# Altium PCB mainboard.PcbDoc (part 2 of 2)
Units mm, origin at the board's own origin, x right, y up, seen from the top; angles counter-clockwise.
Board outline 100 x 100 mm, 2 copper layers (Top Layer, Bottom Layer); 247 components, 133 nets, 768 pads, 342 vias.
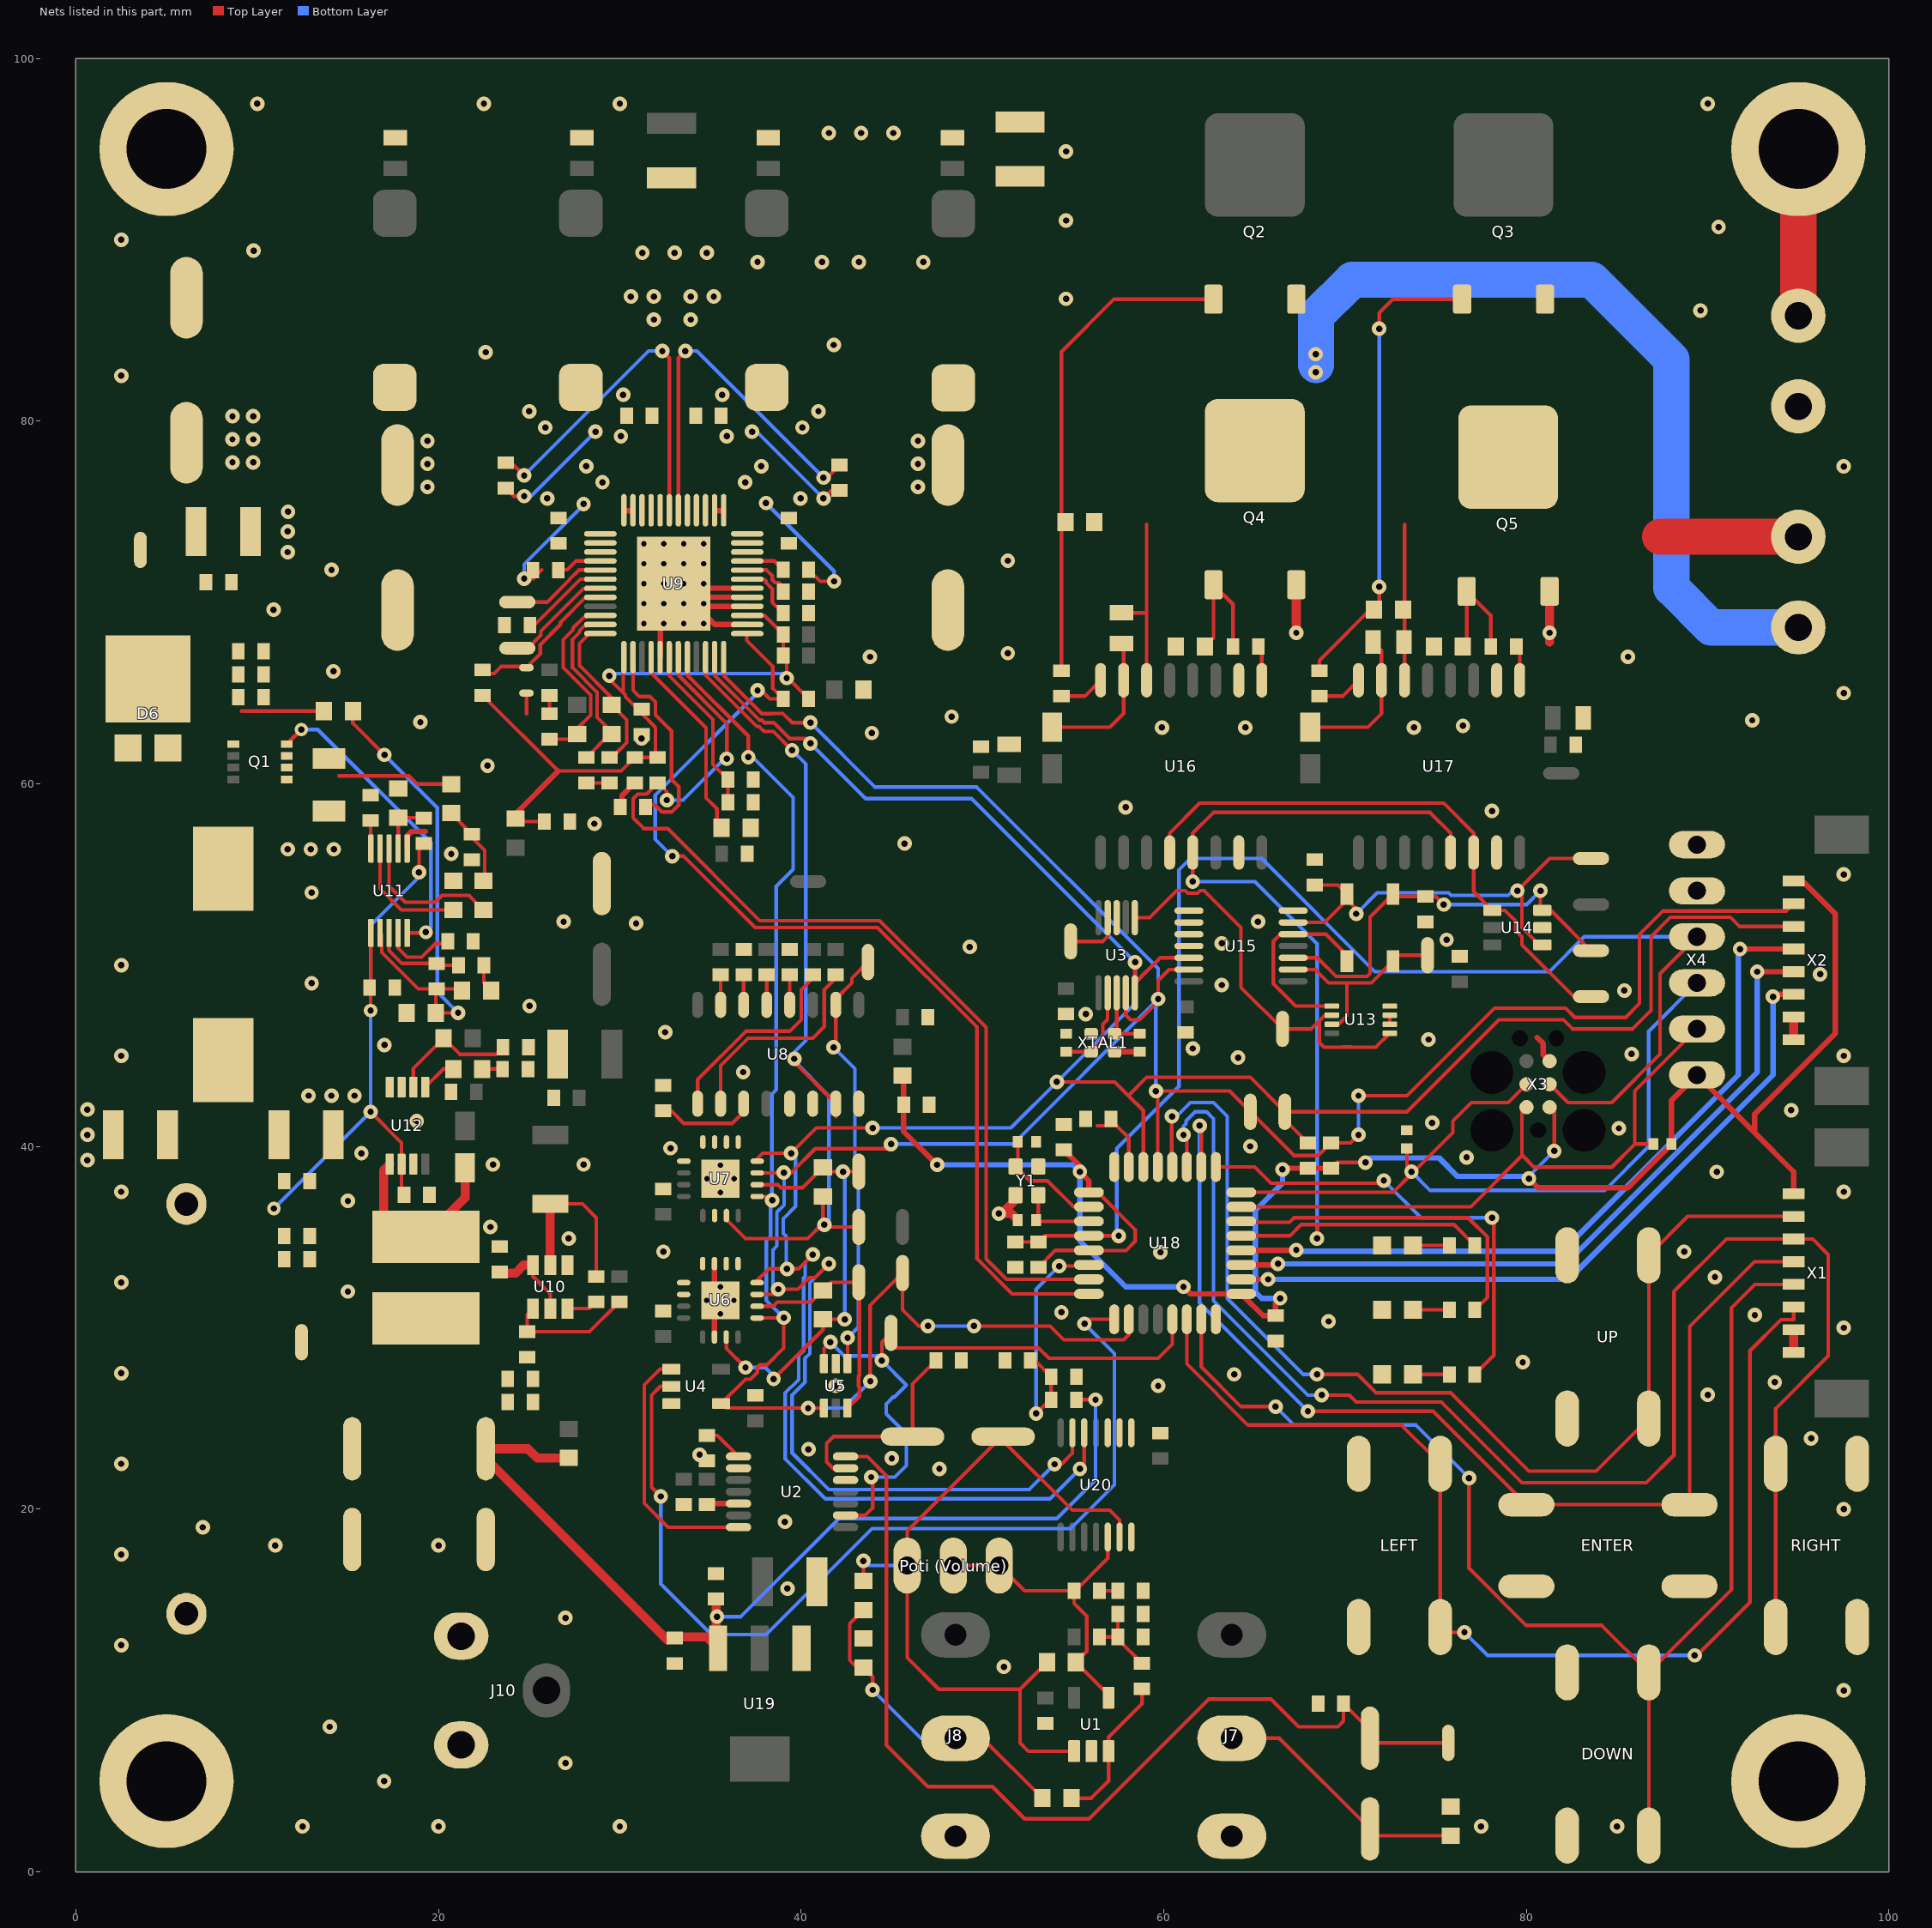
[diagram p2: the nets of this part, all layers, seen from the top]

## Via types
v1: diameter 0.8, hole 0.35, Top Layer to Bottom Layer, 310 vias
v2: diameter 0.75, hole 0.3, Top Layer to Bottom Layer, 20 vias
v3: diameter 0.5, hole 0.3, Top Layer to Bottom Layer, 8 vias
v4: diameter 0.75, hole 0.35, Top Layer to Bottom Layer, 4 vias

## Nets (pads, with @x,y where several pads share a name; then routed paths per layer and width w, separated by ;. In a path a pad name is that pad's centre, name@x,y a point inside that pad or via, vN(x,y) a via of type N, cw(c..) or ccw(c..) an arc to the next point about the centre after c; other vN are vias at no path point) (continued)
GND: C1.2 C7.1 C11.2 C12.1 C13.1 C14.1 C15.1 C16.1 C17.2 C18.1 C19.2 C20.1 C22.2 C25.2 C28.2 C31.2 C33.2 C36.2 C37.1 C38.1 C41.1 C44.1 C45.1 C46.1 C47.1 C48.1 C51.1 C52.1 C53.1 C54.1 C58.1 C59.1 C60.1 C61.1 C62.1 C63.1 C64.1 C65.1 C66.1 C67.1 C68.1 C69.1 C70.2 C71.1 C72.1 C73.1 C74.1 C75.1 C76.1 C77.1 C79.1 C81.1 C83.1 C84.1 C85.1 C86.1 C87.1 C88.2 C89.1 C90.1 C91.1 C92.1 C93.1 C96.1 C97.1 C98.1 C100.1 C101.1 C102.1 C103.1 C104.1 C105.2 C106.2 C107.1 C108.1 C109.1 C110.1 C111.1 C112.1 C113.1 DOWN.1 DOWN.2 ENTER.1 ENTER.2 H2.0 H3.0 H4.0 J7.1 J8.1 J9.1 J10.2 LED1.2 LED2.2 LED3.2 LEFT.1 LEFT.2 Q4.2 Q5.2 R4.1 R5.1 R8.1 R9.2 R10.2 R12.2 R20.1 R25.2 R27.1 R31.1 R36.1 R37.1 R38.1 R39.1 R45.2 R53.1 R54.1 R56.1 R60.1 R61.1 R66.2 RIGHT.3 RIGHT.4 U1.2 U2.2 U2.5 U2.12 U3.8 U4.3 U5.2 U6.5 U6.6 U6.7 U6.8 U6.9 U6.10 U6.14 U6.17 U7.5 U7.6 U7.7 U7.8 U7.9 U7.14 U7.17 U8.5 U8.6 U8.8 U9.17 U9.26 U9.28 U9.29 U9.30 U9.37 U9.38 U9.47 U9.48 U9.49 U10.1 U11.6 U12.4 U12.7 U13.4 U14.2 U15.7 U15.8 U15.9 U15.10 U15.11 U16.2 U16.15 U17.2 U17.15 U18.16 U18.32 U19.1 U20.7 U20.8 U20.9 U20.10 UP.1 UP.2 X1.7 X1.8 X2.7 X2.8 X3.5 X4.5 X4.6 X5.2 XTAL1.2 XTAL1.4 Y1.2 Y1.4 | length 44
  Top Layer w0.2: 24.85,63.864 J9.1@24.85,65.002
  Top Layer w0.3: U11.6@18.272,56.427 18.272,57.134 18.509,57.371 19.271,57.371 ; R25.2@30.119,58.844 30.119,59.349 C44.1@30.819,60.049 ; U9.48@30.228,75.061 U9.47@30.728,75.061 ; U9.17@32.228,67.011 32.228,70.286 32.978,71.036 U9.49@33.228,70.786 ; C113.1@34.798,20.255 34.848,20.305 U2.5@36.547,20.305 ; U6.14@35.219,29.489 35.219,31.189 U6.17@35.544,31.514 35.219,31.839 U6.7@35.219,33.539 ; U9.38@35.228,75.061 U9.37@35.728,75.061 ; U9.26@37.003,68.786 35.228,68.786 34.903,69.111 U9.49@34.228,69.786 ; U9.28@37.003,69.786 U9.49@34.228,69.786 ; U9.29@37.003,70.286 U9.49@33.728,70.286 ; U9.30@37.003,70.786 U9.49@33.228,70.786 ; XTAL1.2@57.292,45.22 C19.2@58.674,45.22 ; 80.6,46 80.917,45.683 80.917,45.067 X3.5@81.28,44.704 ; U9.49@33.228,70.786 U9.49@33.728,70.286 ; U9.49@33.728,70.286 U9.49@34.228,69.786
  Top Layer w0.5: v1(50.9,36.3) v1@51.063,36.3 ; Y1.4@51.826,37.313 51.951,37.188 v1@51.063,36.3 ; C106.2@51.951,35.941 51.592,36.3 v1@51.063,36.3 ; v1(67.309,68.327) Q4.2@67.309,70.976 ; 81.279,67.819 v1(81.279,68.326) Q5.2@81.279,70.468 ; X1.8@94.742,28.645 X1.7@94.742,29.895 ; X2.8@94.742,45.887 X2.7@94.742,47.137
  other v1: 12.5,2.5 20,2.5 30,2.5 77.5,2.5 85,2.5 17,5 27,6 14,8 97.5,10 51.181,11.303 2.5,12.5 27,14 39.243,15.621 2.5,17.5 11,18 20,18 7,19 39.1,19.3 97.5,20 47.625,22.225 2.5,22.5 45,22.8 34.4,23 40.4,23.3 95.7,23.9 90,26.3 41.9,26.8 59.69,26.797 93.7,27 63.881,27.432 2.5,27.5 79.8,28.1 97.5,30 69.088,30.353 92.6,30.7 54.356,30.861 15,32 2.5,32.5 90.4,32.8 59.817,34.163 32.4,34.2 88.7,34.2 27.178,34.925 22.86,35.56 15,37 2.5,37.5 97.5,37.5 90.5,38.6 23,39 28,39 0.635,39.243 76.7,39.4 15.748,39.624 32.8,39.9 64.77,40.005 0.635,40.64 85.1,41 74.8,41.3 18.796,41.402 94.6,42 0.635,42.037 12.827,42.799 14.097,42.799 15.367,42.799 36.8,44.1 64.1,44.9 2.5,45 97.5,45 85.8,45.1 61.6,45.4 17.018,45.593 74.6,45.9 32.5,46.3 55.7,47.3 25.019,47.752 85.4,48.6 63.2,48.9 13,49 96.2,49.5 2.5,50 49.3,51 63.2,51.2 75.6,51.4 30.9,52.3 26.9,52.4 65.2,52.4 13,54 97.5,55 20.701,56.134 11.684,56.388 12.954,56.388 14.224,56.388 45.7,56.7 28.6,57.8 78.1,58.5 57.9,58.7 22.7,61 31.2,62.5 43.9,62.8 59.9,63.1 64.5,63.1 73.8,63.1 76.5,63.2 19,63.4 92.456,63.5 48.3,63.7 97.5,65 14.2,66.2 43.8,67 85.6,67 51.4,67.2 10.9,69.6 14.1,71.8 51.4,72.3 11.684,72.771 11.684,73.914 11.7,75 25.993,75.735 39.963,75.735 19.389,76.37 46.44,76.37 29.041,76.624 36.915,76.624 97.5,77.5 28.152,77.513 37.804,77.513 19.389,77.64 46.44,77.64 19.389,78.91 46.44,78.91 30.057,79.164 35.899,79.164 25.891,79.647 40.065,79.647 25.002,80.536 40.954,80.536 30.184,81.45 35.645,81.45 2.5,82.5 22.6,83.8 41.8,84.2 89.6,86.1 54.61,86.741 37.592,88.773 41.148,88.773 43.18,88.773 46.736,88.773 31.242,89.281 33.02,89.281 34.798,89.281 9.8,89.4 2.5,90 90.6,90.7 54.61,91.059 54.61,94.869 41.529,95.885 43.307,95.885 45.085,95.885 10,97.5 22.5,97.5 30,97.5 90,97.5
  other v2: 31.325,68.832 32.425,68.832 33.525,68.832 34.625,68.832 31.325,69.932 32.425,69.932 33.525,69.932 34.625,69.932 31.325,71.032 32.425,71.032 33.525,71.032 34.625,71.032 31.325,72.132 32.425,72.132 33.525,72.132 34.625,72.132 31.325,73.232 32.425,73.232 33.525,73.232 34.625,73.232
  other v3: 35.544,30.764 34.794,31.514 36.294,31.514 35.544,32.264 35.553,37.467 34.803,38.217 36.303,38.217 35.553,38.967
LRCLK: LRC.1 U4.4 U5.4 U6.1 U7.1 U9.20 U18.10 | length 81.9
  Top Layer w0.2: U9.20@33.728,67.011 33.728,65.989 37.084,62.633 v1(37.084,61.468) ; U6.1@37.45,30.543 39.026,30.543 v1(39.04,30.556) 39.04,28.88 38.115,27.955 37.722,27.955 37.582,27.814 37.582,27.544 37.201,27.163 36.93,27.163 U4.4@35.589,25.822 35.838,25.572 v1(40.386,25.572) U5.4@41.26,25.572 ; U7.1@37.45,37.243 38.195,37.243 v1(38.405,37.033) ; v1(43.815,27.051) 43.8,27.066 43.8,31.227 LRC.1@45.593,33.02 45.593,30.988 46.482,30.099 v1(46.99,30.099) ; v1(49.53,30.099) 53.721,30.099 54.483,29.337 57.785,29.337 58.071,29.623 U18.10@58.071,30.471
  Bottom Layer w0.2: v1(37.084,61.468) 37.338,61.468 39.559,59.247 39.559,55.275 38.624,54.34 38.624,43.124 38.39,42.89 38.39,37.048 v1(38.405,37.033) 38.314,36.943 38.314,35.038 38.075,34.798 38.075,31.521 v1(39.04,30.556) ; v1(40.386,25.572) 42.336,25.572 v1(43.815,27.051) ; v1(46.99,30.099) v1(49.53,30.099)
Net*1_1: "Poti (Volume).1" C8.1 R1.1 R3.1 U1.1 U20.6 | length 42.7
  Top Layer w0.2: R1.1@43.434,16.04 v1(43.434,17.145) ; R3.1@53.556,11.557 52.07,10.071 ; U1.1@55.057,6.653 52.529,6.653 52.07,7.112 52.07,10.071 ; U20.6@57.561,18.461 57.561,19.401 57.023,19.939 54.959,19.939 51.141,23.757 C8.1@51.141,24.003 51.054,24.003 45.847,18.796 45.847,16.891 45.847,11.811 47.587,10.071 52.07,10.071
  Bottom Layer w0.2: v1(43.434,17.145) 43.688,16.891 45.847,16.891
Net*1_2: "Poti (Volume).2" "Poti (Volume).3" R2.1 R3.2 U1.4 U20.5 | length 18.4
  Top Layer w0.2: 48.387,16.637 48.387,16.891 50.927,16.891 52.324,15.494 R2.1@55.053,15.494 ; U20.5@56.911,18.461 56.911,17.287 55.118,15.494 R2.1@55.053,15.494 ; U1.4@56.957,9.603 56.957,9.756 R3.2@55.156,11.557 55.753,12.154 55.753,14.097 55.053,14.797 R2.1@55.053,15.494
NetC1_1: C1.1 C8.2 U2.13 | length 11.8
  Top Layer w0.2: U2.13@42.447,22.255 41.753,22.255 41.402,22.606 41.402,23.622 41.783,24.003 C8.2@46.141,24.003 46.141,26.902 C1.1@47.433,28.194
NetC7_2: C7.2 R2.2 | length 1
  Top Layer w0.2: R2.2@56.453,15.494 C7.2@57.466,15.494
NetC9_1: C9.1 J7.2 R4.2 | length 14.3
  Top Layer w0.2: J7.2@63.754,7.366 66.374,7.366 C9.1@71.374,2.366 71.746,1.994 R4.2@75.819,1.994
NetC9_2: C9.2 C11.1 TP3.1 U2.14 | length 55.8
  Top Layer w0.2: U2.14@42.447,22.905 43.643,22.905 44.704,21.844 44.704,6.985 46.99,4.699 50.546,4.699 52.324,2.921 55.88,2.921 62.484,9.525 65.913,9.525 67.437,8.001 69.596,8.001 69.915,8.32 C11.1@69.915,9.271 71.374,7.812 C9.2@71.374,7.366 71.628,7.112 TP3.1@75.692,7.112
NetC10_1: C10.1 R7.1 U1.3 | length 8.3
  Top Layer w0.2: C10.1@54.902,4.064 56.007,4.064 56.957,5.014 U1.3@56.957,6.653 56.957,7.427 58.801,9.271 R7.1@58.801,10.095
NetC10_2: C10.2 J8.2 R1.2 R5.2 | length 17.3
  Top Layer w0.2: R1.2@43.434,14.44 42.684,13.69 42.684,11.672 43.091,11.265 R5.2@43.434,11.265 43.942,10.757 v1(43.942,10.033) ; J8.2@48.514,7.366 50,7.366 C10.2@53.302,4.064
  Bottom Layer w0.2: v1(43.942,10.033) 46.609,7.366 J8.2@48.514,7.366
NetC17_1: C17.1 U3.2 XTAL1.1 | length 5
  Top Layer w0.2: C17.1@54.61,45.22 XTAL1.1@55.992,45.22 56.642,45.87 56.642,46.736 56.904,46.998 U3.2@56.904,48.471
NetC18_2: C18.2 R6.1 R7.2 R8.2 | length 4.3
  Top Layer w0.2: R6.1@56.453,12.954 R8.2@57.466,12.954 ; C18.2@57.466,14.224 R8.2@57.466,12.954 ; R7.2@58.801,11.495 57.466,12.83 R8.2@57.466,12.954
NetC19_1: C19.1 U3.3 XTAL1.3 | length 3.7
  Top Layer w0.2: U3.3@57.404,48.471 57.404,46.332 XTAL1.3@57.292,46.22 C19.1@58.674,46.22
NetC20_2: C20.2 U2.1 | length 2.2
  Top Layer w0.2: C20.2@34.798,24.068 35.384,24.068 U2.1@36.547,22.905
NetC21_2: 
NetC23_1: C23.1 U9.4 | length 2.6
  Top Layer w0.2: C23.1@26.597,71.798 27.099,71.798 27.587,72.286 U9.4@28.953,72.286
NetC23_2: C23.2 L1.1 U9.1 | length 6.7
  Top Layer w0.2: v1(24.723,71.315) 25.217,71.315 25.699,71.798
  Bottom Layer w0.2: v1(24.723,71.315) 24.723,72.103 28.025,75.405 v1(28,75.43)
NetC24_2: 
NetC26_1: C26.1 U9.43 | length 20.7
  Top Layer w0.2: C26.1@23.707,77.705 24.023,77.705 v1(24.723,77.005) ; v1(32.343,83.863) 32.728,83.478 U9.43@32.728,75.061
  Bottom Layer w0.2: v1(24.723,77.005) 31.581,83.863 v1(32.343,83.863)
NetC26_2: C26.2 L2.1 U9.46 | length 6.6
  Top Layer w0.2: C26.2@23.707,76.305 24.15,75.862 v1(24.723,75.862)
  Bottom Layer w0.2: v1(24.723,75.862) 25.104,75.862 v1(28.66,79.418)
NetC27_2: 
NetC29_1: C29.1 U9.42 | length 20.7
  Top Layer w0.2: U9.42@33.228,75.061 33.228,83.478 v1(33.613,83.863) ; v1(41.233,76.878) 41.422,76.878 C29.1@42.122,77.578
  Bottom Layer w0.2: v1(33.613,83.863) 34.248,83.863 v1(41.233,76.878)
NetC29_2: C29.2 L3.1 U9.39 | length 6.5
  Top Layer w0.2: v1(41.233,75.735) 41.676,76.178 C29.2@42.122,76.178
  Bottom Layer w0.2: v1(37.296,79.418) 37.55,79.418 v1(41.233,75.735)
NetC30_2: 
NetC32_1: C32.1 U9.33 | length 2.2
  Top Layer w0.2: U9.33@37.003,72.286 38.521,72.286 C32.1@39.009,71.798
NetC32_2: C32.2 L4.1 U9.36 | length 7.5
  Top Layer w0.2: C32.2@40.409,71.798 41.044,71.163 v1(41.817,71.163)
  Bottom Layer w0.2: v1(38.058,75.481) 41.817,71.722 v1(41.817,71.163)
NetC34_1: C34.1 R29.2 | length 1
  Top Layer w0.2: C34.1@26.12,63.862 R29.2@26.12,64.875
NetC34_2: C34.2 C40.2 U9.10 | length 10.5
  Top Layer w0.2: C34.2@26.12,62.462 27.363,62.462 C40.2@27.644,62.743 27.644,63.036 28.396,63.788 28.396,64.898 26.882,66.412 26.882,67.952 27.425,68.494 27.425,68.598 28.009,69.182 28.113,69.182 28.125,69.194 28.125,69.286 U9.10@28.953,69.286
NetC35_1: C35.1 R28.2 | length 1.3
  Top Layer w0.2: C35.1@28.152,60.049 R28.2@29.422,60.049
NetC35_2: C35.2 C39.2 U9.11 | length 10.5
  Top Layer w0.2: C35.2@28.152,61.449 29.446,62.743 C39.2@29.549,62.743 C39.2@29.803,62.489 ; U9.11@28.953,68.786 28.108,68.786 28.108,68.682 28.009,68.682 27.775,68.448 27.775,68.349 27.39,67.965 27.39,66.402 28.749,65.044 28.749,63.67 C39.2@29.676,62.743
NetC36_1: C36.1 U9.6 | length 5
  Top Layer w0.2: C36.1@25.042,68.75 25.291,68.75 27.827,71.286 U9.6@28.953,71.286
NetC37_2: C37.2 C38.2 U9.18 | length 9.4
  Top Layer w0.2: U9.18@32.728,67.011 32.728,65.962 35.137,63.553 35.137,61.065 C37.2@35.961,60.241 C38.2@35.961,58.971
NetC39_1: C39.1 R28.1 U9.12 | length 9.3
  Top Layer w0.2: U9.12@28.953,68.286 28.323,68.286 27.771,67.734 27.771,66.52 29.549,64.742 C39.1@29.549,64.343 30.376,63.516 30.376,62.263 30.017,61.904 29.99,61.904 29.99,61.877 29.562,61.449 R28.1@29.422,61.449
NetC41_2: C41.2 U9.31 | length 3.3
  Top Layer w0.2: U9.31@37.003,71.286 37.959,71.286 38.059,71.186 38.059,71.099 38.407,70.752 38.407,70.013 C41.2@39.009,69.41
NetC46_2: C46.2 U9.32 | length 2.8
  Top Layer w0.2: U9.32@37.003,71.786 38.094,71.786 38.409,71.471 38.409,71.244 38.555,71.098 38.782,71.098 39.009,70.871 C46.2@39.009,70.604
NetC57_1: C57.1 L5.1 U10.2 | length 9.5
  Top Layer w0.2: L5.1@26.162,36.835 27.935,36.835 28.702,36.068 C57.1@28.702,32.831
  Top Layer w0.5: U10.2@26.162,33.458 L5.1@26.162,36.835
NetC57_2: C57.2 U10.6 | length 1.7
  Top Layer w0.2: U10.6@27.112,31.058 28.329,31.058 C57.2@28.702,31.431
NetC70_1: C70.1 U11.4 | length 4.1
  Top Layer w0.2: U11.4@17.772,51.777 17.772,50.935 18.263,50.444 19.075,50.444 19.812,51.181 C70.1@20.509,51.181
NetC75_2: C75.2 R34.2 R35.1 | length 4.5
  Top Layer w0.2: R35.1@20.701,58.382 20.701,58.358 C75.2@21.844,57.215 21.844,57.039 22.546,56.337 22.546,54.715 R34.2@22.479,54.648
NetC80_1: C80.1 R32.1 R37.2 R40.1 U11.2 | length 28
  Top Layer w0.2: R32.1@15.278,64.008 15.278,63.335 v1(17.018,61.595) ; U11.2@16.772,51.777 16.87,51.679 16.87,50.704 18.882,48.692 C80.1@19.9,48.692 ; v1(21.082,47.371) R37.2@19.85,47.371 19.85,48.642 C80.1@19.9,48.692 ; R40.1@21.3,48.592 21.2,48.692 C80.1@19.9,48.692
  Bottom Layer w0.2: v1(17.018,61.595) 19.931,58.682 19.931,48.522 v1(21.082,47.371)
NetC80_2: C80.2 C82.2 U11.3 | length 5.1
  Top Layer w0.2: U11.3@17.272,51.777 17.272,50.8 17.98,50.092 C80.2@19.9,50.092 20,49.992 C82.2@21.1,49.992
NetC81_2: C81.2 U11.10 | length 1.6
  Top Layer w0.2: C81.2@16.256,57.974 16.256,56.443 U11.10@16.272,56.427
NetC82_1: C82.1 R40.2 | length 1.6
  Top Layer w0.2: C82.1@22.5,49.992 22.5,48.992 R40.2@22.9,48.592
NetC91_2: C91.2 R46.1 | length 1.1
  Top Layer w0.2: R46.1@22.415,44.272 C91.2@23.532,44.272
NetC92_2: C92.2 D2.1 TP24.1 U14.3 U15.3 | length 23.1
  Top Layer w0.2: U15.3@67.137,50.404 68.47,50.404 69.504,49.37 71.214,49.37 71.374,49.53 71.374,52.65 D2.1@72.644,53.92 72.778,53.786 C92.2@74.422,53.786 74.992,53.786 v1(75.438,53.34) ; v1(80.772,54.102) 80.772,53.125 U14.3@80.877,53.02 81.346,53.02 TP24.1@83.566,50.8
  Bottom Layer w0.2: v1(75.438,53.34) 80.01,53.34 v1(80.772,54.102)
NetC93_2: C93.2 D3.1 TP27.1 U14.1 U15.6 | length 24.8
  Top Layer w0.2: U15.6@67.137,52.354 68.864,52.354 D3.1@70.104,53.594 ; C93.2@68.326,54.418 69.606,54.418 D3.1@70.104,53.92 D3.1@70.104,53.594 ; v1(70.612,52.832) 70.612,53.086 D3.1@70.104,53.594 ; v1(79.502,54.102) v1@79.756,54.102 ; U14.1@80.877,51.12 80.703,51.12 79.756,52.067 v1@79.756,54.102 ; TP27.1@83.566,55.88 81.28,55.88 79.756,54.356 v1@79.756,54.102
  Bottom Layer w0.2: v1(70.612,52.832) 71.77,53.99 75.707,53.99 75.849,53.848 78.994,53.848 79.248,54.102 v1(79.502,54.102)
NetC94_1: C94.1 Q2.2 Q4.3 R49.1 U16.6 X6.2 | length 55.5
  Top Layer w0.2: C94.1@57.658,69.43 58.967,69.43 59.055,69.342 ; U16.6@59.055,65.71 59.055,69.342 ; 59.055,74.295 59.055,69.342
  Bottom Layer w2: 68.4,83.1 68.4,85.8 70.4,87.8 83.6,87.8 88,83.4 88,70.8 90.18,68.62 X6.2@94.996,68.62
  other v1: 68.382,82.69 68.382,83.69
NetC94_2: C94.2 D4.2 U16.7 | length 8.2
  Top Layer w0.2: D4.2@53.848,63.126 57.03,63.126 57.785,63.881 U16.7@57.785,65.71 57.785,67.603 C94.2@57.658,67.73
NetC95_1: C95.1 Q3.2 Q5.3 R50.1 U17.6 X6.1 | length 15.7
  Top Layer w0.2: U17.6@73.279,66.218 73.279,74.295
  Top Layer w2: 87.38,73.62 X6.1@94.996,73.62
NetC95_2: C95.2 D5.2 U17.7 | length 8.4
  Top Layer w0.2: D5.2@68.072,63.126 71.254,63.126 72.009,63.881 U17.7@72.009,65.71 72.009,67.349 C95.2@71.54,67.818
NetC104_2: C104.2 R55.1 R56.2 U18.6 | length 14.2
  Top Layer w0.2: C104.2@52.643,28.194 52.894,28.194 R56.2@53.783,27.305 53.783,26.097 v1(52.959,25.273) ; v1(54.229,33.401) 55.801,33.401 U18.6@55.871,33.471
  Bottom Layer w0.2: v1(52.959,25.273) 52.959,32.131 v1(54.229,33.401)
NetC105_1: C105.1 U18.2 Y1.3 | length 6.4
  Top Layer w0.2: C105.1@51.951,40.259 51.951,39.013 Y1.3@51.826,38.888 52.614,38.1 53.594,38.1 55.023,36.671 U18.2@55.871,36.671
NetC106_1: C106.1 U18.3 Y1.1 | length 4.4
  Top Layer w0.2: Y1.1@53.076,37.313 53.076,36.066 C106.1@52.951,35.941 53.021,35.871 U18.3@55.871,35.871
NetD1_1: D1.1 L7.2 U12.5 | length 10.4
  Top Layer w0.5: U12.5@17.313,39.023 16.967,38.677 16.967,36.297 18.248,35.016 L7.2@19.304,35.016 21.463,37.175 D1.1@21.463,38.83
NetD2_2: D2.2 TP23.1 U13.7 U15.2 | length 11.2
  Top Layer w0.2: U15.2@67.137,49.754 68.356,49.754 69.09,49.02 70.104,49.02 ; U13.7@69.266,46.74 69.641,46.74 70.104,47.203 70.104,49.02 ; TP23.1@74.549,50.546 72.97,50.546 D2.2@72.644,50.22 71.444,49.02 70.104,49.02
NetD3_2: D3.2 U13.5 U15.5 | length 11.1
  Top Layer w0.2: U13.5@69.266,47.74 67.275,47.74 66.04,48.975 66.04,51.308 66.436,51.704 U15.5@67.137,51.704 68.946,51.704 70.104,50.546 D3.2@70.104,50.22
NetD6_1: D6.1 D6.3 L6.2 Q1.5
NetDS1_1: LED1.1 R62.1 | length 2
  Top Layer w0.2: LED1.1@73.748,34.544 R62.1@75.754,34.544
NetDS2_1: LED2.1 R63.1 | length 2
  Top Layer w0.2: LED2.1@73.748,30.988 R63.1@75.754,30.988
NetDS3_1: LED3.1 R64.1 | length 2
  Top Layer w0.2: LED3.1@73.748,27.432 R64.1@75.754,27.432
NetF1_1: F1.1 J10.1
NetH1_0: H1.0 X5.1 | length 9.2
  Top Layer w2: X5.1@94.996,85.812 94.996,94.996 H1.0@95,95
NetJ9_2: J9.2 R26.2 U9.8 | length 8.7
  Top Layer w0.2: R26.2@22.375,66.083 23.072,66.083 23.453,66.464 24.788,66.464 J9.2@24.85,66.402 25.612,67.164 25.612,67.671 26.725,68.784 26.725,68.898 28.113,70.286 U9.8@28.953,70.286
NetQ1_1: Q1.1 Q1.2 Q1.3 R35.2 R36.2 | length 6.4
  Top Layer w0.2: 14.5,60.43 18.385,60.43 18.833,59.982 R35.2@20.701,59.982
NetQ1_4: Q1.4 U11.5 | length 17
  Top Layer w0.2: Q1.4@11.63,62.189 v4(12.433,62.992) ; U11.5@18.272,51.777 19.265,51.777 v4(19.304,51.816)
  Bottom Layer w0.2: v4(12.433,62.992) 13.335,62.992 19.575,56.752 19.575,52.087 v4(19.304,51.816)
NetQ2_1: Q2.1 R47.2 R49.2 | length 27.2
  Top Layer w0.2: R47.2@54.356,66.232 54.356,69.596 54.356,83.82 57.26,86.724 Q2.1@62.739,86.724
NetQ3_1: Q3.1 R48.2 R50.2 | length 26
  Top Layer w0.2: R48.2@68.58,66.232 68.58,66.802 71.882,70.104 v1(71.882,70.866) ; v1(71.882,85.09) 71.882,85.962 72.644,86.724 Q3.1@76.455,86.724
  Bottom Layer w0.2: v1(71.882,70.866) v1(71.882,85.09)
NetQ4_1: Q4.1 R51.2 R53.2 | length 7.5
  Top Layer w0.2: R53.2@62.268,67.564 62.739,68.035 Q4.1@62.739,70.976 63.816,69.899 R51.2@63.816,67.564
NetQ5_1: Q5.1 R52.2 R54.2 | length 6.8
  Top Layer w0.2: R54.2@76.492,67.564 76.708,67.78 Q5.1@76.708,70.612 78.04,69.28 78.04,67.756 R52.2@78.232,67.564
NetR9_1: R9.1 U8.3 | length 5.6
  Top Layer w0.2: R9.1@32.258,41.972 R9.1@32.385,41.972 32.831,41.972 33.528,41.275 36.195,41.275 36.83,41.91 U8.3@36.83,42.36
NetR10_1: R10.1 U8.12 | length 1.7
  Top Layer w0.2: U8.12@39.37,47.81 R10.1@39.37,49.465
NetR11_1: R11.1 U8.13 | length 1.7
  Top Layer w0.2: U8.13@38.1,47.81 R11.1@38.1,49.465
NetR12_1: R12.1 U8.14 | length 1.7
  Top Layer w0.2: U8.14@36.83,47.81 R12.1@36.83,49.465
NetR13_1: R13.1 U8.15 | length 1.7
  Top Layer w0.2: U8.15@35.56,47.81 R13.1@35.56,49.465
NetR14_1: R14.1 U8.1 | length 11.1
  Top Layer w0.2: U8.1@34.29,42.36 34.29,43.688 36.957,46.355 39.37,46.355 40.005,46.99 40.005,48.641 40.64,49.276 R14.1@40.64,49.465
NetR15_1: R15.1 U8.2 | length 11.8
  Top Layer w0.2: U8.2@35.56,42.36 35.56,44.463 37.071,45.974 40.64,45.974 41.275,46.609 41.275,48.641 41.91,49.276 R15.1@41.91,49.465
NetR16_1: R16.1 TP12.1 U5.6 U6.2 | length 13.5
  Top Layer w0.2: U6.2@37.45,31.193 37.452,31.191 38.456,31.191 38.684,31.42 40.551,31.42 R16.1@41.199,32.067 41.643,32.512 TP12.1@43.18,32.512 43.21,32.482 43.21,27.365 43.165,27.32 43.165,26.782 43.21,26.737 43.21,26.222 U5.6@42.56,25.572
NetR16_2: R16.2 R17.1 TP13.1 U6.15 U7.2 | length 24.4
  Top Layer w0.2: U6.15@35.875,29.618 35.875,28.869 v1(36.932,27.813) ; U7.2@37.45,37.893 38.714,37.893 38.887,37.719 40.069,37.719 R17.1@41.199,38.849 41.44,38.608 v1(42.31,38.608) TP13.1@43.18,38.608 ; v1(38.481,27.178) 41.199,29.896 R16.2@41.199,30.467 v1(42.405,30.467)
  Bottom Layer w0.2: v1(36.932,27.813) 38.021,27.813 v1@38.481,27.353 ; v1(38.481,27.178) v1@38.481,27.353 ; v1@38.529,27.305 v1@38.481,27.353 ; v1(42.31,38.608) 42.418,38.5 42.405,38.487 v1(42.405,30.467)